# Altium PCB PCB2.PcbDoc (part 2 of 2)
Units mm, origin at the board's own origin, x right, y up, seen from the top; angles counter-clockwise.
Board outline 426.42 x 149.73 mm, 2 copper layers (Top Layer, Bottom Layer); 141 components, 61 nets, 312 pads, 761 vias.
Unrouted connection lines stored in the file: 1.
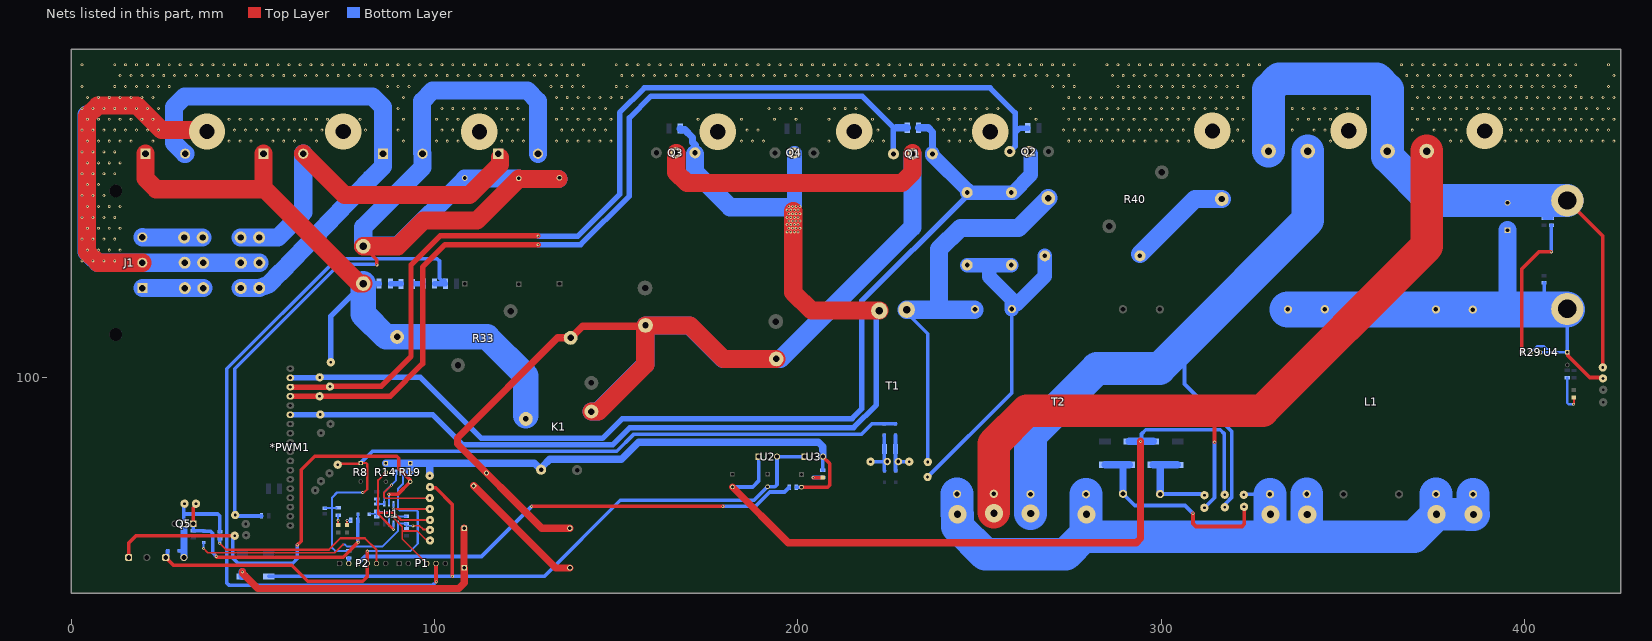
[diagram p2: the nets of this part, all layers, seen from the top]

## Via types
v1: diameter 0.8, hole 0.4, Top Layer to Bottom Layer, tented both sides, 732 vias
v2: diameter 10, hole 4.2, Top Layer to Bottom Layer, 9 vias
v3: diameter 5, hole 2, Top Layer to Bottom Layer, 8 vias
v4: diameter 6, hole 4.2, Top Layer to Bottom Layer, 8 vias
v5: diameter 4, hole 3, Top Layer to Bottom Layer, tented both sides, 4 vias

## Nets (pads, with @x,y where several pads share a name; then routed paths per layer and width w, separated by ;. In a path a pad name is that pad's centre, name@x,y a point inside that pad or via, vN(x,y) a via of type N, cw(c..) or ccw(c..) an arc to the next point about the centre after c; other vN are vias at no path point) (continued)
Net*PWM1_13: *PWM1.13 Q3.3 Q4.2 R9.1 T1.1 TP11.1 | length 305.2
  Top Layer w5: 198.679,145.716 198.679,145 198.679,142 198.679,140 198.679,123.393 203.733,118.339 T1.1@222.402,118.339
  Bottom Layer w1.5: *PWM1.13@60.325,89.687 68.58,89.687 99.568,89.687 107.843,81.412 149.002,81.412 153.721,86.131 215.316,86.131 221.59,92.405 T1.1@221.59,118.313
  Bottom Layer w2: R9.1@167.616,168.478 167.616,168.373 167.913,168.075 168.863,168.075 170.952,165.986 170.952,164.69 171.757,163.885 171.757,161.897 Q3.3@171.958,161.696
  Bottom Layer w4: v1(198.5,145) 199.034,145.534 Q4.2@199.034,161.696
  Bottom Layer w5: Q3.3@171.704,161.442 171.704,156.413 181.331,146.787 v1@198.5,146.787
  other v1: 197,140 198,140 199,140 200,140 197.5,141 198.5,141 199.5,141 200.5,141 197,142 198,142 199,142 200,142 197.5,143 198.5,143 199.5,143 200.5,143 197,144 198,144 199,144 200,144 197.5,145 199.5,145 200.5,145 197,146 198,146 199,146 200,146 197.5,147 198.5,147 199.5,147 200.5,147
Net*PWM1_15: *PWM1.15 Q1.1 R4.2 TP1.1 | length 242.3
  Top Layer w1.5: *PWM1.15@60.325,94.767 TP1.1@68.732,94.767 ; TP1.1@68.377,94.767 87.757,94.767 96.749,103.759 96.749,130.302 102.921,136.474 v1(128.473,136.474)
  Bottom Layer w1.5: v1(128.473,136.474) 140.208,136.474 153.594,149.86 153.594,171.348 159.595,177.349 217.646,177.349 226.223,168.772 Q1.1@226.223,161.681
  Bottom Layer w2: 226.949,168.656 R4.2@230.047,168.656
Net*PWM1_16: *PWM1.16 Q2.1 R7.2 TP2.1 | length 279.7
  Top Layer w1.5: *PWM1.16@60.325,97.307 TP2.1@71.145,97.307 ; TP2.1@71.222,97.434 71.372,97.585 85.367,97.585 93.523,105.74 93.523,130.912 101.498,138.887 v1@128.448,138.887
  Bottom Layer w1.5: v1(128.473,138.862) 139.408,138.862 150.901,150.355 150.901,172.793 157.712,179.603 252.857,179.603 259.715,172.745 259.715,167.183 ; Q2.1@258.699,161.595 258.699,162.522 259.715,163.538 259.715,167.183 ; R7.2@263.222,168.558 261.09,168.558 259.715,167.183
Net*PWM1_17: *PWM1.17 C10.2 C13.2 Q1.3 Q2.2 R4.1 TP7.1 | length 289.9
  Bottom Layer w1.5: *PWM1.17@60.325,99.847 TP7.1@68.402,99.847 ; TP7.1@68.402,99.974 96.088,99.974 112.896,83.166 146.184,83.166 151.663,88.646 214.884,88.646 217.526,91.288 217.526,121.006 245.77,149.25 245.77,149.644 246.532,150.406 C13.2@246.532,150.825
  Bottom Layer w2: R4.1@233.148,168.656 235.81,168.656 236.982,167.484 Q1.3@236.982,161.645
  Bottom Layer w4: Q1.3@236.982,161.645 236.982,161.087 246.532,151.536 C13.2@246.532,150.825 C10.2@259.182,150.825 ; C10.2@258.724,150.825 C10.2@259.182,150.825 ; Q2.2@264.033,161.563 264.033,155.677 C10.2@259.182,150.825
NetC1_1: C1.1 D1.1 D2.1 K1.2 R12.2 R33.1 TP6.1 | length 188.9
  Top Layer w5: D1.1@20.472,161.519 20.472,154.669 23.401,151.74 53.077,151.74 ; 52.96,152.399 D2.1@52.96,161.493 ; 53.037,151.967 79.223,125.781 C1.1@80.391,125.781
  Bottom Layer w1.5: TP6.1@71.45,104.14 71.45,116.84 C1.1@80.391,125.781 R12.2@84.759,125.781
  Bottom Layer w7: C1.1@80.391,125.781 80.391,117.348 86.639,111.1 R33.1@89.687,111.1 114.452,111.1 125.12,100.432 K1.2@125.12,89.408
NetC1_2: C1.2 D3.3 D4.3 R1.1 R2.2 R3.2 R26.2 TP12.1 | length 322.7
  Top Layer w1: C1.2@80.391,136.068 84.125,132.334 v1(84.125,130.937)
  Top Layer w5: C1.2@80.391,136.068 89.891,136.068 96.952,143.129 111.709,143.129 R3.2@123.267,154.687 ; R3.2@123.318,154.559 R2.2@134.06,154.559
  Bottom Layer w1: R1.1@52.39,61.824 45.625,61.824 45.04,62.409 45.04,102.367 73.762,131.089 83.972,131.089 v1(84.125,130.937)
  Bottom Layer w5: D3.3@96.52,161.683 96.52,175.938 99.449,178.867 125.518,178.867 128.447,175.938 D4.3@128.447,161.494 ; D3.3@96.71,161.493 96.71,157.695 80.391,141.376 80.391,136.246 89.967,136.246 R26.2@108.331,154.61 ; R26.2@108.458,154.712 R3.2@123.165,154.712 ; R3.2@123.318,154.559 R2.2@134.06,154.559
NetC2_1: C2.1 C6.1 CN1.2 L1.1 L1.2 L1.3 L1.4 R29.3 R32.1 TP19.1 U4.3 | length 139.1
  Top Layer w1: C6.1@411.658,106.883 411.783,106.758 411.783,105.996 417.838,99.941 421.216,99.941 TP19.1@421.462,99.695
  Bottom Layer w0.6: R29.3@404.165,106.858 404.178,106.87 411.645,106.87 C6.1@411.658,106.883
  Bottom Layer w1: R32.1@405.282,125.974 405.282,119.329 405.943,118.669 ; C6.1@411.658,106.883 411.671,106.896 411.671,118.783 CN1.2@411.683,118.796
  Bottom Layer w5: 394.843,118.669 395.224,119.05 C2.1@395.224,140.471 ; CN1.2@411.556,118.669 CN1.2@411.671,118.783
  Bottom Layer w10: L1.1@334.797,118.669 L1.3@375.514,118.669 394.843,118.669 405.943,118.669 CN1.2@411.556,118.669
NetC2_2: C2.2 CN1.1 R27.2 R30.2 TP8.1 VD1.1 VD2.1 | length 182
  Top Layer w1: CN1.1@411.683,148.641 421.437,138.887 TP8.1@421.437,102.718
  Bottom Layer w1: 405.511,148.641 405.282,148.412 R30.2@405.282,143.799 405.482,143.799 405.518,143.764 R27.2@407.34,143.764
  Bottom Layer w5: VD2.1@362.179,160.731 VD2.1@362.179,162.23
  Bottom Layer w9: VD1.1@329.463,162.23 329.463,179.189 332.392,182.118 359.25,182.118 362.179,179.189 VD2.1@362.179,162.23 ; VD2.1@362.179,160.731 374.269,148.641 405.511,148.641 CN1.1@411.683,148.641
NetC3_2: C3.2 D12.1 D15.1 TP27.1 U2.1 | length 209.7
  Top Layer w2: C3.2@181.966,69.827 197.299,54.494 293.087,54.494 294.259,55.665 v1(294.259,82.372)
  Bottom Layer w1: C3.2@181.966,69.827 187.531,69.827 189.154,71.45 U2.1@189.154,78.156 ; v1@294.513,82.626 294.513,84.376 295.685,85.547 316.151,85.547 317.322,84.376 317.322,67.767 TP27.1@317.398,67.691
  Bottom Layer w2: D12.1@291.135,82.331 291.176,82.372 v1(294.259,82.372) ; v1@294.513,82.626 v1(294.259,82.372) ; D15.1@297.764,82.331 297.723,82.372 v1(294.259,82.372)
NetC4_2: C4.2 D11.2 TP28.1 U2.3 U3.1 | length 193.5
  Top Layer w1: TP28.1@98.73,69.799 98.9,69.629 100.297,69.629 104.902,65.024 v1(104.902,45.263)
  Bottom Layer w1: D11.2@54.356,45.207 130.17,45.207 151.13,66.167 187.904,66.167 C4.2@191.618,69.881 193.648,69.881 194.234,70.466 U2.3@194.234,78.156 U3.1@201.752,78.156
NetC5_2: C5.2 D9.2 J2.1 K1.3 P2.4 R14.1 R18.2 R19.1 R19.2 R24.2 R39.2 TP26.1 U1.8 U3.3 | length 264.7
  Top Layer w1: J2.1@26.035,50.428 28.176,48.287 60.705,48.287 65.075,43.917 80.239,43.917 81.483,45.161 P2.4@81.483,48.768 81.483,52.146 v1(81.509,52.172) ; C5.2@200.965,69.754 208.151,69.754 208.737,70.339 208.737,76.251 U3.3@206.832,78.156
  Bottom Layer w0.6: v1(81.509,52.172) 93.32,52.172 95.377,54.229 95.377,63.051 95.026,63.403 90.318,63.403 89.967,63.754 89.967,69.367 91.323,70.723 R18.2@91.323,73.863
  Bottom Layer w1: J2.1@26.035,50.428 26.51,50.903 26.51,52.19 D9.2@26.619,52.299 ; R39.2@199.552,69.748 C5.2@200.96,69.748 ; R24.2@206.807,74.381 206.82,74.394 206.82,78.143 U3.3@206.832,78.156
  Bottom Layer w2: R14.1@86.609,76.352 R19.1@93.294,76.352 ; R18.2@91.323,73.863 93.243,73.863 R19.2@93.294,73.812 ; R19.2@93.294,73.863 R19.1@93.294,76.352 ; TP26.1@98.654,72.923 98.654,76.352 ; U3.3@206.832,78.156 206.832,80.947 205.661,82.118 156.108,82.118 151.435,77.445 131.724,77.445 129.708,75.429 129.708,75.186 129.334,74.811 129.03,74.811 127.489,76.352 98.654,76.352 ; R19.1@93.294,76.352 98.654,76.352
NetC7_1: C7.1 D6.2 D8.2 R8.1 R37.2 R38.2 TP15.1 | length 199.6
  Top Layer w0.6: TP15.1@73.355,75.946 73.635,76.225 79.477,76.225 R8.1@79.654,76.403 81.132,76.403 81.483,76.052 81.483,69.215 80.607,68.339 80.226,68.339 v1(80.188,68.301)
  Bottom Layer w0.6: C7.1@69.799,64.051 71.823,64.051 ; 72.204,64.051 71.823,64.051 ; 72.288,64.051 R38.2@73.057,64.051 ; R37.2@76.429,52.232 72.691,52.232 71.755,53.168 71.755,63.983 71.823,64.051 ; v1(80.188,68.301) 73.177,68.301 71.823,66.947 71.823,64.051
  Bottom Layer w1: R8.1@79.654,76.403 82.931,79.68 150.114,79.68 154.711,84.277 217.373,84.277 220.345,87.249 D6.2@223.723,87.249 D8.2@226.822,87.249
NetC9_1: C9.1 R34.2 | length 35.8
  Top Layer w2: C9.1@110.769,70.129 133.35,47.549 R34.2@137.262,47.549
NetC10_1: C10.1 C11.2 C13.1 T2.2 TP18.1 | length 99.2
  Bottom Layer w1: TP18.1@235.661,72.568 258.851,95.758 T2.2@258.851,118.77
  Bottom Layer w4: C13.1@246.532,130.886 252.679,130.886 ; C10.1@258.724,130.886 252.679,130.886 ; T2.2@258.851,118.77 258.851,121.463 252.679,127.635 252.679,130.886 ; 260.198,120.117 267.919,127.838 C11.2@267.919,133.426
NetC11_1: C11.1 R40.2 | length 28.8
  Bottom Layer w5: C11.1@294.081,133.909 309.22,149.047 R40.2@316.611,149.047
NetD1_3: D1.3 D3.1 J5.1 | length 143.6
  Bottom Layer w5: D1.3@31.392,161.519 31.199,161.519 28.27,164.448 28.27,174.363 31.199,177.292 82.861,177.292 85.79,174.363 85.79,158.004 82.403,154.617 57.816,129.036 54.301,125.521 J5.1@51.765,124.562 J5.1@46.685,124.562
NetD2_3: D2.3 D4.1 J4.1 | length 100.3
  Top Layer w5: D2.3@63.88,161.493 75.183,150.19 109.576,150.19 117.98,158.594 D4.1@117.98,160.423
  Bottom Layer w5: J4.1@46.66,138.455 J4.1@51.74,138.455 56.947,138.455 63.88,145.389 D2.3@63.88,161.493 D2.3@63.88,161.542
NetD5_2: D5.2 D6.1 R6.2 T1.3 TP14.1 | length 13.6
  Bottom Layer w1: TP14.1@219.964,76.784 T1.3@223.723,76.784 ; D6.1@223.723,84.099 T1.3@223.723,76.784 ; T1.3@223.749,76.784 T1.3@223.723,76.784 ; D5.2@223.799,74.27 223.723,74.346 T1.3@223.723,76.784
NetD7_2: D7.2 D8.1 R6.1 T1.4 TP16.1 | length 13.7
  Bottom Layer w1: T1.4@226.797,76.784 T1.4@226.822,76.784 ; D8.1@226.822,84.099 T1.4@226.822,76.784 ; D7.2@226.873,74.27 226.822,74.321 T1.4@226.822,76.784 ; TP16.1@230.607,76.784 T1.4@226.822,76.784
NetD9_1: D9.1 J2.2 Q5.2 R36.1 TP35.1 | length 30.4
  Bottom Layer w1: D9.1@29.769,52.299 31.013,52.299 31.035,52.277 ; Q5.2@31.064,59.665 31.039,59.69 31.039,65.049 TP35.1@31.217,65.227 ; 31.217,62.382 40.359,62.382 40.945,61.797 R36.1@40.945,57.49
  Bottom Layer w2: J2.2@31.035,50.428 31.035,52.299 Q5.2@31.035,59.635
NetD10_1: D10.1 R11.1 R22.2 TP32.1 U1.1 | length 70.6
  Top Layer w0.5: v1(36.474,52.883) 37.643,51.714 72.517,51.714 74.828,54.026 ; v1(94.031,59.131) 95.834,59.131 96.837,58.129 98.615,58.129 TP32.1@98.73,58.014
  Bottom Layer w0.5: D10.1@36.449,54.534 36.449,52.908 v1(36.474,52.883) ; 74.828,54.026 75.312,54.026 75.921,53.416 85.649,53.416 89.967,57.734 U1.1@89.967,59.759 U1.1@89.967,59.759 92.277,59.758 R11.1@92.278,59.756 92.278,59.055 92.354,59.131 v1(94.031,59.131)
NetD10_2: D10.2 D14.2 Q5.1 R15.2 R25.2 TP34.1 | length 69.2
  Top Layer w1: Q5.1@34.029,59.24 Q5.1@33.604,59.665 33.604,64.117 34.341,64.854 TP34.1@34.341,65.202 ; v1(39.942,50.71) 40.135,50.518 74.877,50.518 v1(78.969,54.61)
  Bottom Layer w0.5: R25.2@78.918,60.693 D14.2@78.918,62.357
  Bottom Layer w1: Q5.1@33.604,59.665 33.617,59.652 33.617,57.807 R15.2@33.63,57.795 36.338,57.795 D10.2@36.449,57.684 38.278,57.684 38.938,57.023 38.938,51.714 v1(39.942,50.71) ; R25.2@78.902,60.63 78.902,54.676 v1(78.969,54.61)
NetD12_2: D12.2 D13.1 T2.7 TP25.1 | length 58.4
  Top Layer w1: v1(308.686,62.535) 308.686,59.766 309.499,58.953 322.147,58.953 322.732,59.539 TP25.1@322.732,64.364
  Bottom Layer w1: T2.7@289.433,67.92 292.635,64.718 306.503,64.718 v1(308.686,62.535)
  Bottom Layer w2: D13.1@284.455,75.921 289.433,75.921 ; T2.7@289.433,67.92 289.433,75.921 ; D12.2@291.135,75.921 289.433,75.921
NetD14_1: D14.1 R20.1 R23.2 TP37.1 U1.7 | length 20
  Top Layer w0.5: v1(88.722,63.703) 88.798,63.779 TP37.1@98.704,63.779
  Bottom Layer w0.5: D14.1@82.268,62.433 84.074,62.433 ; R23.2@84.074,61.681 84.074,62.433 ; U1.7@88.697,65.159 88.697,63.31 88.404,63.017 84.242,63.017 R20.1@84.074,63.185 84.074,62.433
NetD15_2: D15.2 D16.1 T2.8 TP29.1 | length 27
  Bottom Layer w1: T2.8@299.618,67.869 310.622,67.869 310.68,67.81 311.59,67.81 TP29.1@311.836,67.564
  Bottom Layer w2: D15.2@297.764,75.921 297.777,75.908 299.673,75.908 ; T2.8@299.673,67.924 299.673,75.908 ; D16.1@304.444,75.895 304.432,75.908 299.673,75.908
NetD17_1: D17.1 R24.1 | length 5.4
  Top Layer w1: v1(204.149,72.374) 204.157,72.381 D17.1@206.858,72.381
  Bottom Layer w1: v1(204.149,72.374) 204.206,72.431 R24.1@206.807,72.431
NetD18_1: D18.1 R25.1 | length 2.2
  Top Layer w0.5: D18.1@75.921,59.394 75.925,59.399 75.925,60.584 v1(75.93,60.588)
  Bottom Layer w0.5: v1(75.93,60.588) 75.951,60.609 76.932,60.609 R25.1@76.952,60.63
NetD19_1: D19.1 R31.1 | length 10.8
  Top Layer w0.6: v1(413.41,92.583) 413.41,92.637 413.487,92.713 D19.1@413.487,94.429
  Bottom Layer w0.6: R31.1@411.658,99.929 411.658,92.934 412.009,92.583 v1(413.41,92.583)
NetD20_2: D20.2 R34.1 R35.1 | length 80.1
  Top Layer w2: v1@47.142,46.533 47.142,46.1 51.352,41.89 106.631,41.89 108.152,43.412 R34.1@108.152,47.549 ; R34.1@108.126,47.575 R35.1@108.126,58.471
  Bottom Layer w2: D20.2@47.117,45.233 v1(47.117,46.457)
NetD21_1: D21.1 R38.1 | length 2.7
  Top Layer w0.6: v1(73.452,60.655) 73.48,60.628 73.48,59.447 D21.1@73.508,59.419
  Bottom Layer w0.6: v1(73.452,60.655) 73.467,60.67 73.467,62.078 R38.1@73.482,62.093
NetJ1_1: J1.1 J8.1 | length 16.8
  Bottom Layer w5: J1.1@19.604,124.521 19.619,124.536 J8.1@31.293,124.536 J8.1@36.373,124.536
NetJ1_3: J1.3 J7.1 | length 16.6
  Bottom Layer w5: J1.3@19.604,138.521 19.67,138.455 J7.1@31.115,138.455 J7.1@36.195,138.455
NetJ3_1: J3.1 R19.3 TP39.1 U1.6 | length 130.6
  Top Layer w1: J3.1@15.839,50.428 15.839,54.392 17.86,56.413 TP39.1@45.009,56.413 TP39.1@45.263,56.413 ; v1(62.252,53.866) 63.297,54.91 63.297,74.547 67.023,78.273 89.533,78.273 90.119,77.688 90.119,74.93 93.256,71.793 93.256,71.311 R19.3@93.294,71.272 89.789,67.767 v1(87.427,67.767)
  Bottom Layer w0.6: U1.6@87.427,65.159 v1(87.427,67.767)
  Bottom Layer w1: TP39.1@45.009,56.413 45.009,56.065 44.475,55.532 44.475,50.294 45.899,48.87 60.985,48.87 62.252,50.137 v1(62.252,53.866)
NetL1_5: L1.5 L1.6 L1.7 L1.8 T2.5 T2.10 TP22.1 | length 211.4
  Bottom Layer w1: TP22.1@322.656,67.666 322.834,67.843 L1.5@329.844,67.843
  Bottom Layer w9: v3@243.738,62.332 T2.5@243.738,67.894 ; v3(243.891,62.332) 243.891,58.953 251.511,51.333 273.66,51.333 278.359,56.032 279.248,56.032 ; T2.10@279.248,67.843 279.248,56.896 279.29,56.853 ; 279.252,56.09 329.794,56.09 ; L1.5@329.844,67.843 329.844,56.141 329.794,56.09 ; 339.979,56.388 L1.6@339.979,67.894 ; L1.7@375.539,67.869 375.539,62.459 v3(375.691,62.306) ; L1.8@385.724,67.818 385.724,62.408 v3(385.877,62.255) 384.404,62.255 384.353,62.306 v3(375.691,62.306) ; 329.794,56.09 369.475,56.09 v3(375.691,62.306)
  other v3: 340.134,62.228 279.4,62.281 329.997,62.281
NetP1_4: P1.4 R11.2 TP33.1 U1.3 | length 32.5
  Top Layer w0.5: v1(88.367,61.697) 91.135,58.928 91.135,57.836 ; P1.4@97.866,48.768 91.135,55.499 91.135,57.836 ; TP33.1@99.06,55.143 98.844,55.36 97.599,55.36 95.25,57.709 91.262,57.709 91.135,57.836
  Bottom Layer w0.5: U1.3@87.427,59.759 87.427,61.414 87.72,61.706 R11.2@92.278,61.706
NetP1_5: P1.5 R16.1 R17.2 | length 203.8
  Top Layer w1: P1.5@100.406,48.768 100.406,43.79 v1(100.457,43.739)
  Bottom Layer w1: R16.1@100.026,125.781 R16.1@100.039,125.768 ; v1(100.457,43.739) 99.543,42.824 43.436,42.824 42.85,43.41 42.85,102.337 73.079,132.566 100.76,132.566 101.346,131.98 101.346,127.244 101.932,126.658 102.769,126.658 102.972,126.456 R17.2@102.972,125.755
  Bottom Layer w1.5: R16.1@100.039,125.768 100.889,125.768 ; 100.889,125.755 102.009,125.755 R17.2@102.972,125.755
NetP2_2: P2.2 R37.1 | length 1.5
  Bottom Layer w1: P2.2@76.429,48.793 R37.1@76.429,50.282
NetP2_3: P2.3 R39.1 | length 127.5
  Top Layer w1: v1(126.695,64.465) v1(179.349,64.465)
  Bottom Layer w1: P2.3@78.943,48.768 80.878,50.703 112.933,50.703 v1(126.695,64.465) ; v1(179.349,64.465) 188.239,64.465 192.202,68.428 196.281,68.428 197.377,69.523 197.577,69.523 197.577,69.723 R39.1@197.602,69.748
NetP2_5: P2.5 R36.2 | length 51.5
  Top Layer w0.6: v1(40.894,54.331) 42.672,52.553 70.917,52.553 74.092,55.728 80.823,55.728 84.023,52.527 P2.5@84.023,48.768
  Bottom Layer w1: v1(40.894,54.331) 40.894,55.515 40.919,55.54 R36.2@40.945,55.54
NetR12_1: R12.1 R13.2 | length 2.9
  Bottom Layer w1.5: R12.1@87.937,125.73 87.95,125.717 90.767,125.717 R13.2@90.78,125.705
NetR13_1: R13.1 R16.2 | length 3.1
  Bottom Layer w1.5: R13.1@93.881,125.705 96.878,125.705 96.925,125.752 R16.2@96.925,125.781
NetR14_2: R14.2 TP36.1 U1.2 | length 35
  Top Layer w0.6: R14.2@86.609,73.812 84.48,71.684 84.48,62.738 ; v1(88.697,58.141) 84.48,62.357 84.48,62.738 ; TP36.1@98.755,60.731 90.754,60.731 88.748,62.738 84.48,62.738
  Bottom Layer w0.6: v1(88.697,58.141) U1.2@88.697,59.759
NetR18_1: R18.1 R20.2 R21.2 TP38.1 U1.5 | length 30.4
  Top Layer w0.5: v1(88.155,70.35) 86.131,68.326 86.131,67.019 86.424,66.726 98.654,66.726 TP38.1@98.704,66.777
  Bottom Layer w0.5: R21.2@84.074,66.513 R20.2@84.074,65.135 84.086,65.147 86.145,65.147 U1.5@86.157,65.159 86.157,68.351 89.373,71.567 R18.1@89.373,73.863
NetR27_1: R27.1 R29.1 | length 40.4
  Top Layer w1: R29.1@399.085,106.858 399.085,129.718 403.885,134.518 v1(407.289,134.518)
  Bottom Layer w1: v1(407.289,134.518) 407.289,141.789 407.314,141.814 R27.1@407.34,141.814
NetR29_2: R29.2 U4.2 | length 5.7
  Bottom Layer w0.6: R29.2@401.625,106.858 403.301,108.534 405.261,108.534 405.987,107.808 U4.2@406.287,107.808
NetR40_1: R40.1 T1.2 T2.1 TP23.1 | length 115.9
  Bottom Layer w1: T1.2@229.083,118.567 235.712,111.938 TP23.1@235.712,76.592
  Bottom Layer w5: T1.2@229.921,118.567 238.836,118.567 ; T2.1@248.539,118.567 238.836,118.567 ; R40.1@268.859,149.301 260.629,141.072 244.678,141.072 238.836,135.23 238.836,118.567
NetT2_6: T2.6 TP31.1 VD2.2 | length 215
  Top Layer w1: v1(314.604,82.169) 314.604,90.348 315.087,90.83
  Top Layer w9: v3@253.873,62.84 T2.6@253.873,67.945 253.873,81.712 262.992,90.83 315.087,90.83 327.787,90.83 372.974,136.017 VD2.2@372.974,162.23
  Bottom Layer w1: TP31.1@311.631,63.957 311.683,63.957 314.604,66.878 v1(314.604,82.169)
  other v3: 253.898,62.611
NetT2_9: T2.9 TP30.1 VD1.2 | length 192.9
  Top Layer w1: TP30.1@317.178,63.991 TP30.1@317.424,64.237
  Bottom Layer w1: 306.324,109.245 306.324,98.146 319.295,85.174 319.295,66.905 317.67,65.28 317.67,64.483 TP30.1@317.424,64.237
  Bottom Layer w9: v3@263.982,62.509 T2.9@263.982,67.843 263.982,84.074 282.296,102.387 299.466,102.387 306.324,109.245 340.258,143.18 VD1.2@340.258,162.23
  other v3: 264.008,62.509
PE: J1.2 J6.1 J9.1 | length 177.5
  Top Layer w5: J1.2@19.604,131.521 7.349,131.521 4.42,134.45 4.42,162 4.42,171 4.42,171.874 7.349,174.803 9,174.803 16.5,174.803 18.111,174.803 18.457,174.457 24.457,168.457 24.914,167.999 37.029,167.999 v2(37.414,167.615)
  Bottom Layer w5: 4.318,172.251 4.318,162 4.318,150 4.318,147 4.318,134.45 5.634,133.134 7.247,131.521 12,131.521 J1.2@19.604,131.521 J6.1@31.242,131.521 J6.1@36.322,131.521 J9.1@46.736,131.521 J9.1@51.816,131.521
  other v1: 3,132 6,132 9,132 12,132 4.5,135 7.5,135 10.5,135 13.5,135 3,138 6,138 9,138 12,138 4.5,141 7.5,141 10.5,141 13.5,141 3,144 6,144 9,144 12,144 4.5,147 7.5,147 10.5,147 13.5,147 3,150 6,150 9,150 4.5,153 7.5,153 3,156 6,156 9,156 12,156 4.5,159 7.5,159 10.5,159 13.5,159 3,162 6,162 9,162 12,162 4.5,165 7.5,165 10.5,165 13.5,165 16.5,165 22.5,165 43.5,165 46.5,165 49.5,165 55.5,165 58.5,165 61.5,165 67.5,165 91.5,165 100.5,165 103.5,165 106.5,165 118.5,165 121.5,165 124.5,165 133.5,165 136.5,165 139.5,165 142.5,165 145.5,165 148.5,165 184.5,165 187.5,165 190.5,165 208.5,165 220.5,165 223.5,165 241.5,165 244.5,165 247.5,165 274.5,165 277.5,165 280.5,165 283.5,165 286.5,165 289.5,165 292.5,165 295.5,165 298.5,165 301.5,165 304.5,165 307.5,165 319.5,165 322.5,165 346.5,165 379.5,165 382.5,165 394.5,165 397.5,165 400.5,165 403.5,165 406.5,165 409.5,165 412.5,165 415.5,165 418.5,165 421.5,165 424.5,165 3,168 6,168 9,168 12,168 15,168 18,168 21,168 24,168 45,168 48,168 51,168 54,168 57,168 60,168 63,168 66,168 69,168 81,168 90,168 102,168 105,168 120,168 123,168 135,168 138,168 141,168 144,168 147,168 186,168 189,168 222,168 240,168 243,168 246,168 273,168 276,168 279,168 282,168 285,168 288,168 291,168 294,168 297,168 300,168 303,168 306,168 321,168 336,168 342,168 345,168 369,168 375,168 378,168 381,168 396,168 399,168 402,168 405,168 408,168 411,168 414,168 417,168 420,168 423,168 4.5,171 7.5,171 10.5,171 13.5,171 16.5,171 19.5,171 22.5,171 43.5,171 46.5,171 49.5,171 52.5,171 55.5,171 58.5,171 61.5,171 64.5,171 67.5,171 70.5,171 79.5,171 91.5,171 100.5,171 103.5,171 106.5,171 118.5,171 121.5,171 124.5,171 133.5,171 136.5,171 139.5,171 142.5,171 145.5,171 148.5,171 172.5,171 184.5,171 193.5,171 199.5,171 208.5,171 220.5,171 238.5,171 241.5,171 244.5,171 247.5,171 265.5,171 274.5,171 277.5,171 280.5,171 283.5,171 286.5,171 289.5,171 292.5,171 295.5,171 298.5,171 301.5,171 304.5,171 307.5,171 319.5,171 322.5,171 337.5,171 340.5,171 343.5,171 346.5,171 370.5,171 373.5,171 376.5,171 379.5,171 382.5,171 394.5,171 397.5,171 400.5,171 403.5,171 406.5,171 409.5,171 412.5,171 415.5,171 418.5,171 421.5,171 424.5,171 3,174 6,174 9,174 12,174 15,174 18,174 21,174 24,174 90,174 102,174 105,174 108,174 111,174 114,174 117,174 120,174 123,174 135,174 138,174 141,174 144,174 147,174 192,174 195,174 198,174 201,174 210,174 213,174 216,174 225,174 228,174 231,174 234,174 237,174 240,174 243,174 246,174 249,174 252,174 255,174 264,174 273,174 276,174 279,174 282,174 285,174 288,174 291,174 294,174 297,174 300,174 303,174 306,174 309,174 312,174 315,174 318,174 321,174 336,174 339,174 342,174 345,174 348,174 351,174 354,174 369,174 372,174 375,174 378,174 381,174 384,174 387,174 390,174 393,174 396,174 399,174 402,174 405,174 408,174 411,174 414,174 417,174 420,174 423,174 4.5,177 7.5,177 10.5,177 13.5,177 16.5,177 19.5,177 22.5,177 91.5,177 133.5,177 136.5,177 139.5,177 142.5,177 145.5,177 148.5,177 151.5,177 274.5,177 277.5,177 280.5,177 283.5,177 286.5,177 289.5,177 292.5,177 295.5,177 298.5,177 301.5,177 304.5,177 307.5,177 310.5,177 313.5,177 316.5,177 319.5,177 322.5,177 370.5,177 373.5,177 376.5,177 379.5,177 382.5,177 385.5,177 388.5,177 391.5,177 394.5,177 397.5,177 400.5,177 403.5,177 406.5,177 409.5,177 412.5,177 415.5,177 418.5,177 421.5,177 424.5,177 3,180 12,180 15,180 18,180 21,180 24,180 27,180 87,180 90,180 93,180 132,180 135,180 138,180 141,180 150,180 153,180 270,180 273,180 276,180 288,180 291,180 294,180 297,180 300,180 303,180 306,180 309,180 312,180 315,180 318,180 321,180 369,180 372,180 375,180 378,180 381,180 384,180 387,180 390,180 393,180 396,180 399,180 402,180 405,180 408,180 411,180 414,180 423,180 13.5,183 16.5,183 19.5,183 22.5,183 25.5,183 28.5,183 31.5,183 34.5,183 37.5,183 40.5,183 43.5,183 46.5,183 49.5,183 52.5,183 55.5,183 58.5,183 61.5,183 64.5,183 67.5,183 70.5,183 73.5,183 76.5,183 79.5,183 82.5,183 85.5,183 88.5,183 91.5,183 94.5,183 97.5,183 100.5,183 103.5,183 106.5,183 109.5,183 112.5,183 115.5,183 118.5,183 121.5,183 124.5,183 127.5,183 130.5,183 133.5,183 136.5,183 139.5,183 151.5,183 154.5,183 157.5,183 160.5,183 163.5,183 166.5,183 169.5,183 172.5,183 175.5,183 178.5,183 181.5,183 184.5,183 187.5,183 190.5,183 193.5,183 196.5,183 199.5,183 202.5,183 205.5,183 208.5,183 211.5,183 214.5,183 217.5,183 220.5,183 223.5,183 226.5,183 229.5,183 232.5,183 235.5,183 238.5,183 241.5,183 244.5,183 247.5,183 250.5,183 253.5,183 256.5,183 259.5,183 262.5,183 265.5,183 268.5,183 271.5,183 274.5,183 286.5,183 289.5,183 292.5,183 295.5,183 298.5,183 301.5,183 304.5,183 307.5,183 310.5,183 313.5,183 316.5,183 319.5,183 322.5,183 367.5,183 370.5,183 373.5,183 376.5,183 379.5,183 382.5,183 385.5,183 388.5,183 391.5,183 394.5,183 397.5,183 400.5,183 403.5,183 406.5,183 409.5,183 412.5,183 424.5,183 3,186 12,186 15,186 18,186 21,186 24,186 27,186 30,186 33,186 36,186 39,186 42,186 45,186 48,186 51,186 54,186 57,186 60,186 63,186 66,186 69,186 72,186 75,186 78,186 81,186 84,186 87,186 90,186 93,186 96,186 99,186 102,186 105,186 108,186 111,186 114,186 117,186 120,186 123,186 126,186 129,186 132,186 135,186 138,186 141,186 150,186 153,186 156,186 159,186 162,186 165,186 168,186 171,186 174,186 177,186 180,186 183,186 186,186 189,186 192,186 195,186 198,186 201,186 204,186 207,186 210,186 213,186 216,186 219,186 222,186 225,186 228,186 231,186 234,186 237,186 240,186 243,186 246,186 249,186 252,186 255,186 258,186 261,186 264,186 267,186 270,186 273,186 276,186 285,186 288,186 291,186 294,186 297,186 300,186 303,186 306,186 309,186 312,186 315,186 318,186 321,186 324,186 327,186 366,186 369,186 372,186 375,186 378,186 381,186 384,186 387,186 390,186 393,186 396,186 399,186 402,186 405,186 408,186 411,186 414,186 423,186
  other v2: 252.882,167.564 112.344,167.589 177.952,167.589 215.443,167.615 74.905,167.64 388.95,167.767 314.02,167.792 351.511,167.818
VCC: C8.1 C9.2 C12.1 K1.1 Q1.2 Q3.2 R33.2 R35.2 | length 398.4
  Top Layer w2: R35.2@137.236,58.471 129.499,58.471 106.307,81.663 106.307,83.32 133.833,110.846 R33.2@137.439,110.846 ; R33.2@137.49,110.795 140.716,114.021 C8.1@158.039,114.021
  Top Layer w5: K1.1@143.154,90.576 145.11,90.576 157.983,103.449 C8.1@157.983,113.863 ; C8.1@158.039,114.275 170.256,114.275 179.476,105.054 C12.1@194.031,105.054 ; Q3.2@166.497,161.696 166.497,156.37 169.426,153.441 228.592,153.441 231.521,156.37 Q1.2@231.521,161.645
  Bottom Layer w5: K1.1@143.154,90.576 145.009,90.576 158.039,103.607 158.039,113.97 C8.1@158.039,114.275 170.18,114.275 179.4,105.054 C12.1@194.031,105.054 195.224,105.054 231.47,141.3 Q1.2@231.47,161.468
pads on no net: J1. K1.6 L1.9 L1.10 R33.GND R40.GND T2.3 T2.4
copper on no net:
  other v4: 7.518,46.634 144.602,46.634 281.813,46.634 418.871,46.634 7.544,182.753 144.602,182.753 281.813,182.753 418.897,182.753
  other v5: 56.998,55.347 66.319,55.448 56.845,105.816 66.294,105.893

## Polygon pours and split planes (outlines as drawn)
GND on Top Layer "GND_L01_P011" (solid, pour order 11): 325.336,138.011 325.323,137.998 296.418,109.093 278.333,109.093 278.333,108.56 259.258,89.484 229.921,89.484 254.914,114.478 254.914,120.752 249.809,125.857 247.32,125.857 244.399,128.778 244.424,128.803 244.424,133.579 247.32,136.474 247.32,137.82 245.618,137.82 242.011,134.214 242.011,127.838 246.659,123.19 248.818,123.19 248.844,123.215 252.476,119.583 252.476,117.399 252.476,117.373 252.476,92.151 150.393,92.151 144.526,86.284 118.466,86.284 118.364,86.182 118.364,83.591 145.771,83.591 151.663,89.484 259.258,89.484 264.871,95.098 268.656,95.098 280.34,106.782 314.325,106.782 345.364,137.82 345.364,162.179 426.364,162.179 426.364,144.018 426.364,40.488 118.643,40.488 118.364,40.564 0,40.564 0,106.248 84.099,106.248 84.099,162.179 333.502,162.179 333.502,146.177
PE on Top Layer "PE_L01_P002" (solid, pour order 2): 14.249,129.053 14.249,163.297 426.415,163.297 426.415,190.246 0,190.246 0,129.053
GND on Top Layer "GND_L01_P013" (solid, pour order 13): 297.383,106.528 335.763,144.907 335.763,162.179 345.44,162.179 345.44,138.963 342.544,138.963 310.109,106.528
GND on Top Layer "GND_L01_P012" (solid, pour order 12): 250.562,110.423 250.562,113.503 250.901,113.843 255.016,113.843 255.016,110.998 254.457,110.439 252.476,110.439 252.476,89.586 229.964,89.586 229.761,89.383 215.138,89.383 215.138,92.532 223.579,100.973 241.22,100.973
Net*PWM1_13 on Top Layer "NET*PWM1_13_L01_P000" (solid, pour order 0): 196.215,148.26 201.168,148.26 201.168,139.065 196.215,139.065
GND on Bottom Layer "GND_L02_P017" (solid, pour order 17): 325.336,138.087 325.323,138.074 296.418,109.169 278.333,109.169 278.333,108.636 259.258,89.56 229.921,89.56 254.914,114.554 254.914,120.828 249.809,125.933 247.32,125.933 244.399,128.854 244.424,128.88 244.424,133.655 247.32,136.55 247.32,137.897 245.618,137.897 242.011,134.29 242.011,127.914 246.659,123.266 248.818,123.266 248.844,123.292 252.476,119.659 252.476,117.475 252.476,117.45 252.476,92.227 150.393,92.227 144.526,86.36 118.466,86.36 118.364,86.258 118.364,83.668 145.771,83.668 151.663,89.56 259.258,89.56 264.871,95.174 268.656,95.174 280.34,106.858 314.325,106.858 345.364,137.897 345.364,162.255 426.364,162.255 426.364,144.094 426.364,40.564 118.643,40.564 118.364,40.64 0,40.64 0,106.324 93.878,106.324 93.878,162.255 333.502,162.255 333.502,146.253
PE on Bottom Layer "PE_L02_P003" (solid, pour order 3): 14.275,129.032 14.275,163.297 426.415,163.297 426.415,190.246 0,190.246 0,129.032
GND on Bottom Layer "GND_L02_P018" (solid, pour order 18): 250.562,110.499 250.562,113.579 250.901,113.919 255.016,113.919 255.016,111.074 254.457,110.515 252.476,110.515 252.476,89.662 229.964,89.662 229.761,89.459 214.808,89.459 214.808,92.075 214.706,92.177 223.579,101.049 241.22,101.049
Net*PWM1_13 on Bottom Layer "NET*PWM1_13_L02_P001" (solid, pour order 1): 196.215,149.022 196.266,149.022 201.016,149.022 201.016,139.325 196.199,139.325

## Silkscreen, mask and mechanical layers (free items; w line width, h text height)
Top Overlay:
  rectangle: 288.138,158.953 412.928,190.373
  rectangle: 152.248,158.877 277.038,190.297
  rectangle: 11.557,158.877 136.347,190.297
  text "+  -" at 14.853,44.088 h2
  text "+  -" at 25.063,44.088 h2
  text "GND" at 74.351,42.566 h1 r90
  text "PWR" at 79.431,42.566 h1 r90
  text "FAN" at 84.511,42.566 h1 r90
  text "GND" at 87.051,42.566 h1 r90
  text "GND" at 90.734,42.566 h1 r90
  text "GND" at 103.434,42.566 h1 r90
  text "ADC" at 100.97,42.388 h1 r90
  text "+12V" at 81.971,41.804 h1 r90
  text "LOAD" at 76.865,41.626 h1 r90
  text "FDB_1" at 93.285,41.092 h1 r90
  text "FAN_1" at 98.365,41.092 h1 r90
  text "NTC" at 15.996,41.065 h2
  text "FDB_2" at 95.749,41.042 h1 r90
  text "FAN" at 26.562,40.989 h2
Top Solder:
  lines w9: 253.898,62.941 253.898,81.763 263.017,90.881 315.112,90.881 327.812,90.881 372.999,136.068 372.999,162.281
Bottom Solder:
  lines w9: 243.713,67.793 243.713,59.08 251.536,51.257 273.736,51.257 278.467,55.988 329.768,55.988 ; 263.957,62.56 263.957,83.972 282.27,102.286 299.441,102.286 340.233,143.078 340.233,162.128 ; 279.222,67.742 279.222,56.794 279.265,56.752 ; 329.438,162.128 329.438,179.087 332.367,182.016 359.224,182.016 362.153,179.087 362.153,162.128 ; 329.819,67.742 329.819,56.039 329.768,55.988 ; 339.954,56.286 339.954,67.793 ; 362.153,160.63 374.244,148.539 405.486,148.539 411.658,148.539 ; 375.539,62.408 375.539,67.869 ; 385.699,67.716 385.699,62.255 375.768,62.255 369.545,56.032 369.456,56.032 329.812,56.032 329.768,55.988
  lines w10: 334.772,118.567 375.488,118.567 394.818,118.567 405.917,118.567 411.531,118.567
Mechanical 1:
  the board outline again, w0.254
Route Tool Path:
  lines w2: 15.9,141.021 15.9,135.026 55.702,134.976 ; 16.916,120.976 55.702,120.976 ; 16.916,127.976 55.702,127.976 ; 119.532,84.938 145.11,84.938 151.105,90.932 213.157,90.932 ; 246.202,136.855 243.23,133.883 243.23,133.782 243.23,128.448 247.218,124.46 249.352,124.46 253.619,120.193 253.619,114.986 ; 268.059,96.38 279.705,108.026 297.078,108.026 334.772,145.72 334.772,162.306 ; 313.639,107.95 343.357,137.693

## Text inside footprints (layer, text, board x,y; h text height)
C8: Top Overlay "+" at 159.69,129.769 h3.81 r90; Top Overlay "-" at 159.816,106.02 h3.81 r90
C12: Top Overlay "-" at 195.808,96.799 h3.81 r90; Top Overlay "+" at 195.681,120.548 h3.81 r90